# Altium PCB RUMBA_plus.PcbDoc (part 2 of 3)
Units mm, origin at the board's own origin, x right, y up, seen from the top; angles counter-clockwise.
Board outline 135 x 75 mm, 2 copper layers (Top Layer, Bottom Layer), stack 1.581 mm thick; 207 components, 187 nets, 895 pads, 260 vias.
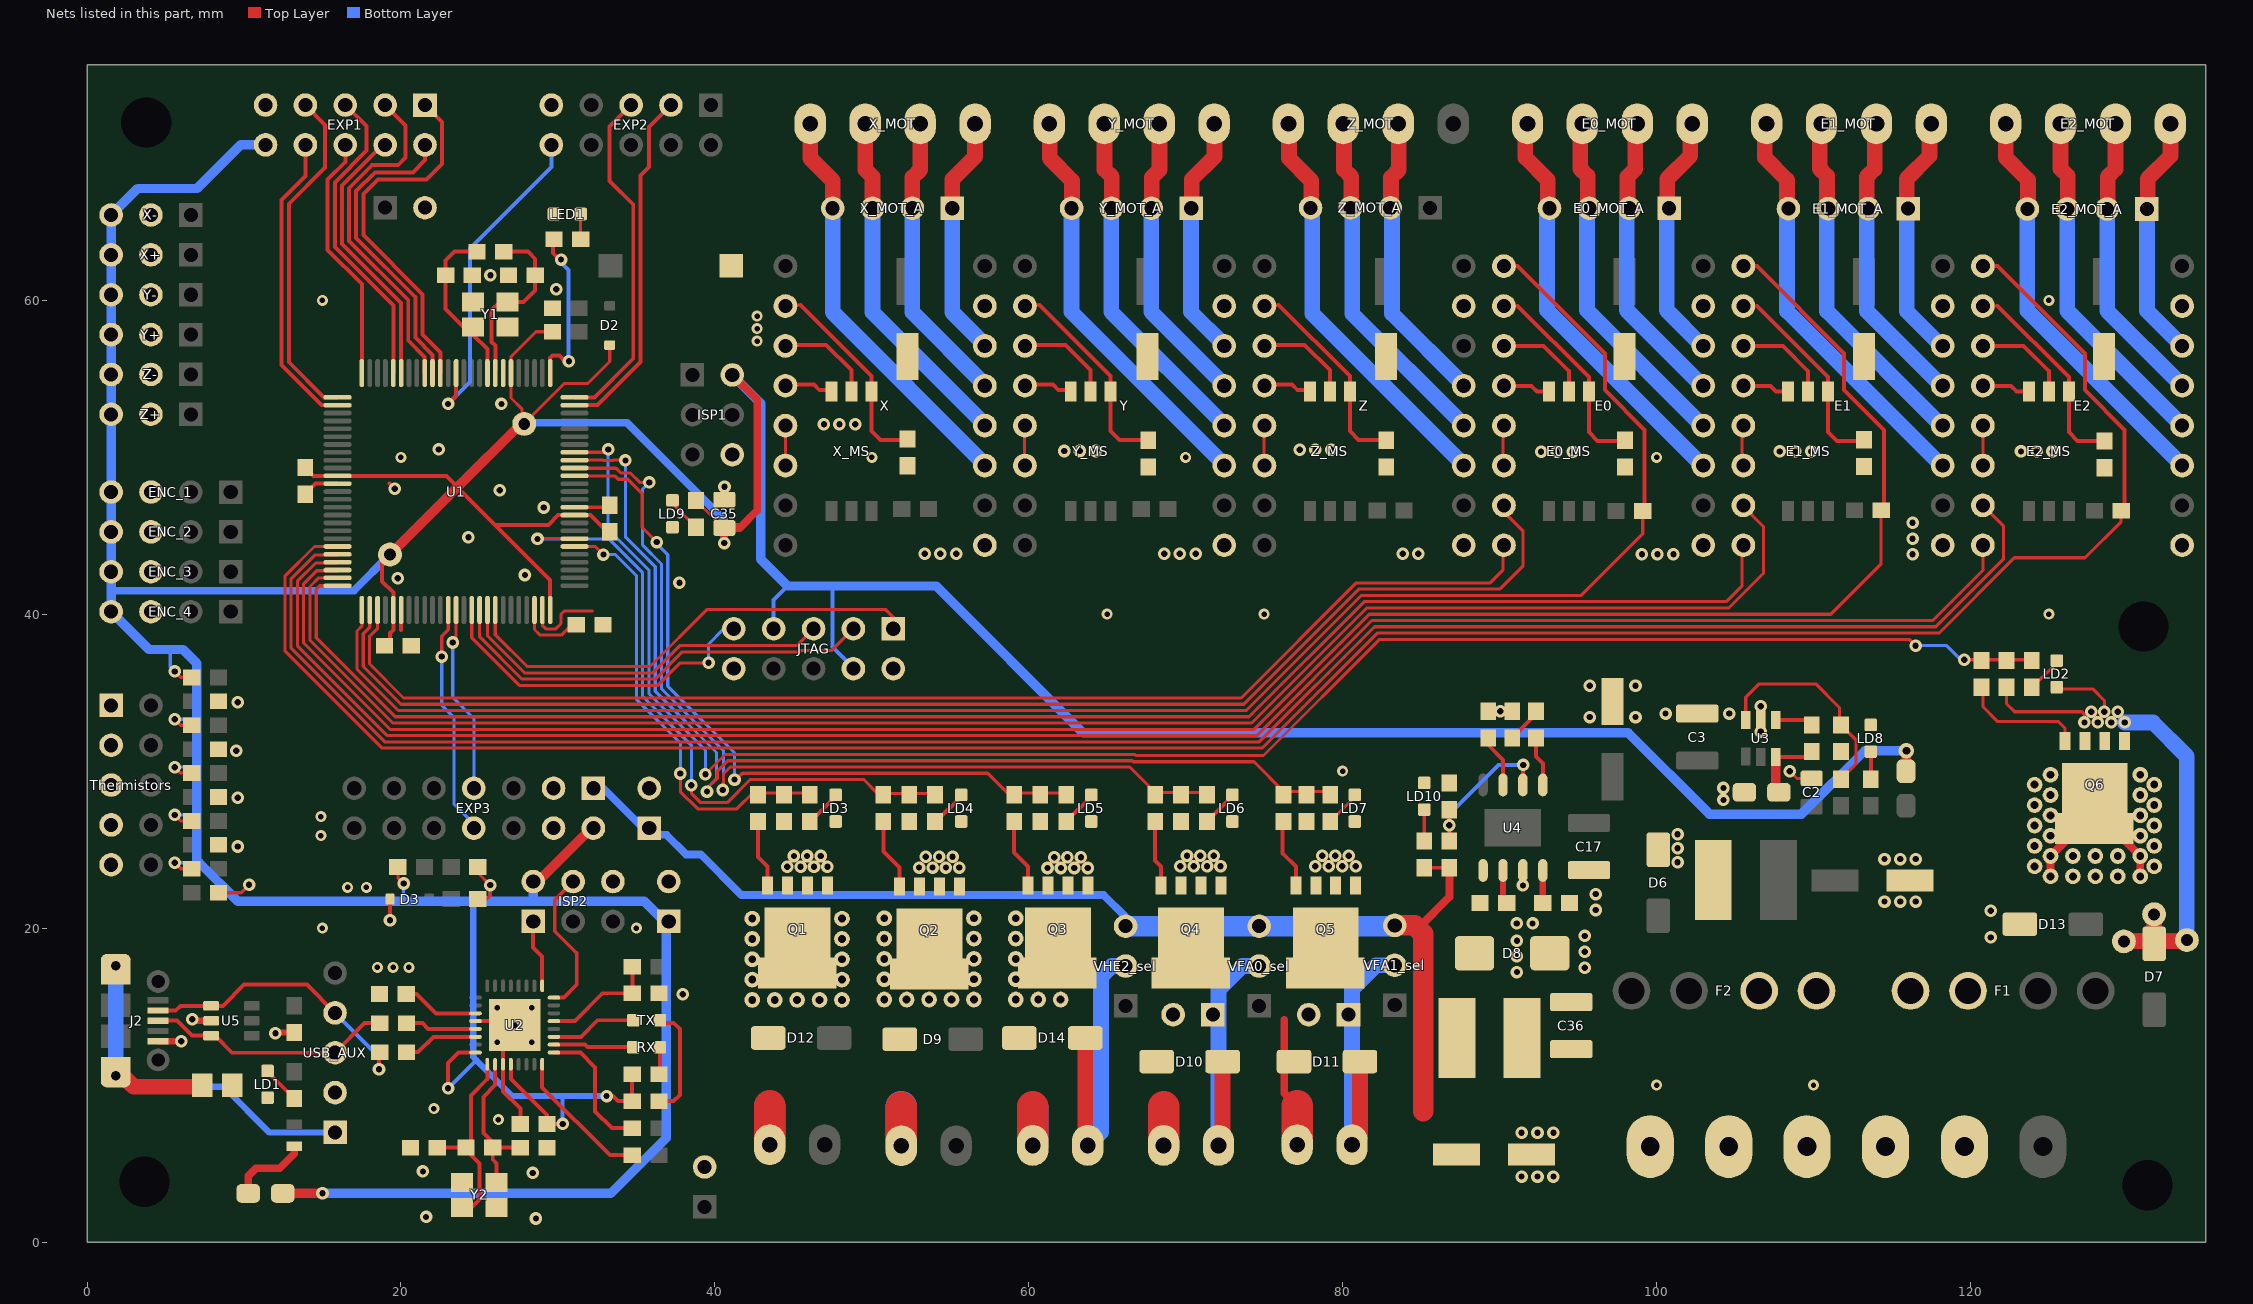
[diagram p2: the nets of this part, all layers, seen from the top]

## Via types
v1: diameter 0.8, hole 0.4, Top Layer to Bottom Layer, tented both sides, 227 vias
v2: diameter 0.7, hole 0.35, Top Layer to Bottom Layer, tented both sides, 31 vias
v3: diameter 1, hole 0.5, Top Layer to Bottom Layer, tented both sides, 1 vias
v4: diameter 1.4, hole 0.75, Top Layer to Bottom Layer, 1 vias

## Nets (pads, with @x,y where several pads share a name; then routed paths per layer and width w, separated by ;. In a path a pad name is that pad's centre, name@x,y a point inside that pad or via, vN(x,y) a via of type N, cw(c..) or ccw(c..) an arc to the next point about the centre after c; other vN are vias at no path point) (continued)
+5V: 5V.1 C5.2 C6.2 C7.2 C13.2 C35.2 D2.K D3.K D4.K D15.K ENC_1.4 ENC_2.4 ENC_3.4 ENC_4.4 EXP1.10 EXP3.2 ISP1.2 ISP2.2 JTAG.4 JTAG.7 pad.2@27.855,52.128 pad.3 R2.2 R3.2 R11.2 R12.2 R15.1 R16.1 R40.1 R41.1 R42.1 R43.1 R54.1 R58.2 U1.10 U1.31 U1.61 U1.80 U1.100 U2.4 U2.32 X+.3 X-.3 Y+.3 Y-.3 Z+.3 Z-.3 | length 413.2
  Top Layer w0.2: v1(5.589,24.163) 5.97,23.782 R54.1@6.676,23.782 ; v1(5.589,27.211) 5.97,26.83 R40.1@6.676,26.83 ; v1(5.589,30.259) 5.97,29.878 R41.1@6.676,29.878 ; v1(5.589,33.307) 5.97,32.926 R42.1@6.676,32.926 ; v1(5.589,36.355) 5.97,35.974 R43.1@6.676,35.974 R43.1@6.295,36.355 ; R3.2@19.804,23.909 19.804,23.21 v1(20.172,22.842) ; v1@22.998,9.802 v1(23,9.804) ; R12.2@24.9,21.85 25.433,21.85 25.683,22.1 v1(25.683,22.741) 24.908,23.516 R2.2@24.908,23.909 ; pad.2@27.628,52.128 27.7,52.2 27.7,53.09 27.01,53.78 U1.31@27.01,55.367 27.01,56.41 28.6,58 R11.2@29.65,58 ; pad.2@27.855,52.155 30.4,54.7 31.9,54.7 33.3,56.1 D2.K@33.3,57.15 ; R58.2@38.8,47.25 40.3,45.75 C35.2@40.3,45.55
  Top Layer w0.254: C5.2@13.9,49.35 14.433,48.817 U1.61@15.96,48.817 22.9,48.817 22.9,48.8 23.6,48.1 23.9,47.8 26,45.7 ; C7.2@18.95,38 19.3,38.35 19.3,38.8 19.51,39.01 U1.80@19.51,40.267 19.51,41.39 18.8,42.1 18.8,43.3 pad.3@19.3,43.8 ; v1(19.3,20.5) D3.K@19.3,21.85 ; v1@22.998,9.802 22.998,11.398 23.674,12.074 U2.32@24.748,12.074 ; U2.4@26.998,11.324 26.998,10.402 29.306,8.094 C13.2@29.306,7.526 v1(30.3,7.526) ; U1.100@29.51,40.267 29.51,42.19 26,45.7 ; v1(33.1,9.3) 33.51,9.3 33.84,8.971 R15.1@34.734,8.971 R16.1@34.734,10.691 ; C6.2@33.3,45.25 33.15,45.25 32.083,46.317 U1.10@31.06,46.317 30.017,46.317 29.4,45.7 26,45.7
  Top Layer w0.5: C35.2@40.3,45.55 41.631,45.55 ; v1(40.6,44.534) C35.2@40.6,45.5 41.581,45.5 41.631,45.55 ; ISP1.2@41.111,55.246 42.7,53.657 42.7,46.619 41.631,45.55
  Top Layer w0.6: D4.K@12.471,3.1 v1(15,3.1) ; pad.3@19.3,43.8 23.6,48.1 27.628,52.128 pad.2@27.855,52.128 ; ISP2.2@28.426,22.969 28.731,22.969 EXP3.2@32.198,26.436 ; 5V.1@36.758,20.455 5V.1@36.758,20.495 ; D15.K@115.799,29.996 D15.K@115.817,30.014 ; D15.K@115.917,30.014 v3(115.917,31.297)
  Bottom Layer w0.2: 5.3,37.752 5.3,36.644 v1(5.589,36.355) ; v1(5.589,24.163) 7.145,24.163 ; v1(5.589,27.211) 7,27.211 ; v1(5.589,30.259) 7,30.259 ; v1(5.589,33.307) 7,33.307 ; 20.172,21.75 v1(20.172,22.842) ; 25.683,21.775 v1(25.683,22.741) ; JTAG.4@48.826,36.533 JTAG.4@49.334,36.533
  Bottom Layer w0.254: v1(19.3,20.5) 19.3,21.719 ; v1(23,9.804) 23.023,9.804 24.81,11.59 ; v1(30.3,7.526) 30.3,9.3 ; JTAG.7@43.746,39.073 43.746,40.912 44.635,41.8 ; 47.3,41.8 47.506,41.594 47.506,37.9 48.826,36.579 JTAG.4@48.826,36.533
  Bottom Layer w0.4: 24.6,21.719 24.6,11.8 24.81,11.59 27.1,9.3 30.3,9.3 v1(33.1,9.3)
  Bottom Layer w0.5: 1.532,41.5 17,41.5 pad.3@19.3,43.8 ; pad.2@27.926,52.2 34.4,52.2 40.6,46 v1(40.6,44.534)
  Bottom Layer w0.6: EXP1.10@11.371,69.904 9.782,69.904 7.004,67.126 3.22,67.126 X-.3@1.532,65.438 Z+.3@1.532,52.738 ENC_3.4@1.532,42.705 1.532,41.5 ENC_4.4@1.532,40.165 3.945,37.752 5.3,37.752 6.11,37.752 7,36.862 7,33.307 7,30.259 7,27.211 7,24.308 7.145,24.163 9.589,21.719 19.3,21.719 24.6,21.719 28.4,21.719 ; v1(15,3.1) 33.371,3.1 36.9,6.629 36.9,20.267 5V.1@37.062,20.429 ; pad.2@27.855,52.128 pad.2@27.926,52.2 ; ISP2.2@28.426,22.969 28.426,21.746 28.4,21.719 ; 5V.1@36.758,20.455 35.493,21.719 28.4,21.719 ; ISP1.2@41.111,55.246 42.917,53.44 42.917,43.518 44.635,41.8 47.3,41.8 54.1,41.8 63.464,32.436 98.195,32.436 103.364,27.267 109.236,27.267 113.267,31.297 v3@115.817,31.297
+12V: 12V.1 C32.1 C36.2 EXP3.1 L4.2 R56.1 R59.2 VFA0_sel.3 VFA1_sel.3 VHE2_sel.3 | length 75
  Top Layer w0.2: R59.2@85.2,23.85 R56.1@86.8,23.85
  Top Layer w0.4: 84.324,20.45 84.6,20.175
  Top Layer w0.5: 84.797,19.978 86.8,21.981 R56.1@86.8,23.85
  Top Layer w1.3: VFA1_sel.3@83.316,20.175 84.6,20.175 84.797,19.978 85.132,19.642 85.132,8.328
  Bottom Layer w0.5: EXP3.1@32.262,28.913 32.887,28.913 35.85,25.95 36.91,25.95 38.16,24.7 39.1,24.7 41.7,22.1 64.779,22.1 66.171,20.708 VHE2_sel.3@66.171,20.124
  Bottom Layer w1.3: VHE2_sel.3@66.171,20.124 VFA0_sel.3@74.68,20.124 VFA1_sel.3@83.265,20.124
A9: EXP3.7 U1.88 | length 12
  Top Layer w0.2: v1(23.3,38.2) 23.51,38.41 U1.88@23.51,40.267
  Bottom Layer w0.2: v1(23.3,38.2) 23.3,34.7 24.642,33.358 EXP3.7@24.642,28.913
A10: EXP3.8 U1.87 | length 14.9
  Top Layer w0.2: v1(22.6,37.3) 22.6,38.6 23.01,39.01 U1.87@23.01,40.267
  Bottom Layer w0.2: v1(22.6,37.3) 22.6,34.2 23.372,33.428 23.372,27.922 24.642,26.652 EXP3.8@24.642,26.373
AREF: C4.2 U1.98 | length 4.5
  Top Layer w0.2: U1.98@28.56,40.217 U1.98@28.51,40.267 28.51,39.024 28.867,38.667 30.206,38.667 C4.2@31.171,39.632
BEEPER: EXP1.1 U1.40 | length 23.4
  Top Layer w0.254: EXP1.1@21.531,72.444 22.608,71.367 22.608,68.683 21.624,67.7 18.535,67.7 17.6,66.765 17.6,64.158 21.372,60.386 21.372,57.812 22.51,56.674 U1.40@22.51,55.367
BTN_EN1: EXP2.5 U1.25 | length 22.1
  Top Layer w0.254: U1.25@31.06,53.817 32.317,53.817 34.8,56.3 34.8,66.1 33.3,67.6 33.3,71.081 EXP2.5@34.663,72.444
BTN_EN2: EXP2.3 U1.24 | length 22.5
  Top Layer w0.254: U1.24@31.06,53.317 32.517,53.317 35.262,56.062 35.262,67.962 35.8,68.5 35.8,71.041 EXP2.3@37.203,72.444
BTN_ENC: EXP1.2 U1.41 | length 19.8
  Top Layer w0.254: EXP1.2@21.531,69.904 21.531,68.931 20.754,68.154 18.347,68.154 17.146,66.953 17.146,63.97 20.918,60.198 20.918,57.624 22.01,56.532 U1.41@22.01,55.367
DTR: C16.2 R14.1 U2.13 | length 7.4
  Top Layer w0.254: U2.13@29.748,14.074 31.074,14.074 32.851,15.851 R14.1@34.739,15.851 ; R14.1@34.739,15.857 C16.2@34.739,17.546
E0-DIR: E0.8 U1.78 | length 81.7
  Top Layer w0.2: U1.78@18.51,40.267 18.51,39.11 18,38.6 18,36.831 20.164,34.667 73.533,34.667 80.866,42 89.4,42 90.211,42.811 E0.8@90.211,44.396
E0-EN: E0.1 R27.2 U1.76 | length 113
  Top Layer w0.2: U1.76@17.51,40.267 17.51,39.241 17.2,38.931 17.2,36.5 19.833,33.867 73.867,33.867 81.2,41.2 95.2,41.2 99.122,45.122 R27.2@99.122,46.581
  Top Layer w0.254: E0.1@90.211,62.176 E0.1@90.274,62.176 91.153,62.176 96.705,56.624 96.705,54.287 99.245,51.747 99.245,46.809 R27.2@99.022,46.585
E0-STEP: E0.7 U1.77 | length 86.7
  Top Layer w0.2: U1.77@18.01,40.267 18.01,39.176 17.6,38.766 17.6,36.666 19.999,34.267 73.698,34.267 81.031,41.6 90,41.6 91.5,43.1 91.5,45.294 E0.7@90.211,46.583
  Top Layer w0.254: E0.7@90.211,46.583 E0.7@90.211,46.936
E1-DIR: E1.8 U1.75 | length 103.5
  Top Layer w0.2: U1.75@15.96,41.817 14.817,41.817 14.6,41.6 14.6,38.5 19.633,33.467 74.033,33.467 81.366,40.8 104.434,40.8 105.451,41.816 E1.8@105.451,44.396
E1-EN: E1.1 R29.2 U1.73 | length 136.9
  Top Layer w0.2: U1.73@15.96,42.817 15.96,42.767 14.636,42.767 13.8,41.931 13.8,38.169 19.302,32.667 74.364,32.667 81.697,40 111.1,40 114.312,43.212 R29.2@114.312,46.631
  Top Layer w0.254: E1.1@105.451,62.176 E1.1@105.532,62.176 106.393,62.176 111.945,56.624 111.945,54.287 114.485,51.747 114.485,46.809 R29.2@114.262,46.585
E1-STEP: E1.7 U1.74 | length 109.1
  Top Layer w0.2: U1.74@15.96,42.317 14.751,42.317 14.2,41.766 14.2,38.334 19.467,33.067 74.198,33.067 81.531,40.4 104.6,40.4 106.815,42.615 106.815,45.572 E1.7@105.451,46.936
E2-DIR: E2.8 U1.72 | length 122.9
  Top Layer w0.2: U1.72@15.96,43.317 15.91,43.267 14.57,43.267 13.4,42.097 13.4,38.003 19.136,32.267 74.53,32.267 81.863,39.6 117.6,39.6 120.791,42.791 E2.8@120.791,44.396
E2-EN: E2.1 R45.2 U1.70 | length 155.1
  Top Layer w0.2: U1.70@15.96,44.317 14.489,44.317 12.6,42.428 12.6,37.672 18.805,31.467 74.861,31.467 82.194,38.8 118,38.8 122.8,43.6 127.298,43.6 129.602,45.904 R45.2@129.602,46.585
  Top Layer w0.254: E2.1@120.791,62.176 121.733,62.176 127.285,56.624 127.285,54.287 129.825,51.747 129.825,46.809 R45.2@129.602,46.585
E2-STEP: E2.7 U1.71 | length 128.4
  Top Layer w0.2: U1.71@15.96,43.817 15.91,43.767 14.504,43.767 13,42.263 13,37.837 18.97,31.867 74.695,31.867 82.028,39.2 117.8,39.2 122.1,43.5 122.1,45.627 E2.7@120.791,46.936
FAN_0: R46.1 R47.1 R55.2 U1.17 | length 68.9
  Top Layer w0.2: U1.17@31.06,49.817 32.893,49.817 32.91,49.8 33.49,49.8 33.507,49.817 34.283,49.817 v1(34.3,49.8) ; v1@39.5,28.6 v1(39.5,28.7) 39.5,28.9 40.151,29.551 40.151,30.007 40.811,30.667 66.594,30.667 66.661,30.6 74.351,30.6 76.255,28.696 R55.2@79.201,28.696
  Bottom Layer w0.2: v1(34.3,49.8) 34.3,44.934 36.2,43.034 36.2,35.09 40.1,31.19 40.1,29.51 39.5,28.91 v1(39.5,28.7) v1@39.5,28.6
FAN_1: R51.1 R52.1 R53.2 U1.16 | length 60
  Top Layer w0.2: U1.16@31.06,49.317 31.077,49.3 33.71,49.3 34.01,49 34.617,49 35.217,48.4 v1(35.818,48.4) ; v1@40.5,28.7 40.551,28.751 40.551,29.841 40.977,30.267 66.429,30.267 68.05,28.645 R53.2@71.352,28.645
  Bottom Layer w0.2: v1(35.818,48.4) 35.4,47.982 35.4,44.4 36.6,43.2 36.6,35.255 40.551,31.304 40.551,28.751 v1@40.5,28.7
  other v1: 40.5,28.8
FB1: R5.1 R6.2 U3.3 | length 13.7
  Top Layer w0.2: U3.3@105.686,33.272 105.686,34.71 106.536,35.56 110.15,35.56 111.648,34.061 R6.2@111.648,32.948 ; R5.1@111.748,29.493 112.7,30.444 112.7,31.996 R6.2@111.748,32.948
FB2: R56.2 R57.2 U4.6 | length 10
  Top Layer w0.254: R56.2@86.8,25.55 v1(86.8,26.55) R57.2@86.8,27.55 ; U4.6@91.499,29.141 v1(91.499,30.396)
  Bottom Layer w0.254: v1(86.8,26.55) 86.8,27.278 89.918,30.396 v1(91.499,30.396)
GND: 5V.2 12V.2 C1.2 C2.1 C3.1 C4.1 C5.1 C6.1 C7.1 C8.1 C9.2 C10.2 C11.1 C12.2 C13.1 C14.1 C15.1 C17.1 C19.1 C20.1 C21.2 C22.2 C23.2 C24.2 C25.2 C26.2 C27.2 C28.2 C29.2 C30.2 C31.2 C32.2 C34.1 C35.1 C36.1 D5.A D6.A D7.A D8.A E0.9 E0.15 E1.9 E1.15 E2.9 E2.15 ENC_1.3 ENC_2.3 ENC_3.3 ENC_4.3 EXP1.9 EXP2.9 EXP3.3 EXP3.4 HB-PWR.1 ISP1.6 ISP2.6 J2.GND JTAG.2 JTAG.10 L1.2 LD1.2 LD2.2 LD3.2 LD4.2 LD5.2 LD6.2 LD7.2 LD8.2 LD9.2 LD10.2 LED1.2 MAIN-PWR.1 pad.5 pad.6 pad.8 PS_ON.2 PWR.2 Q1.3 Q2.3 Q3.3 Q4.3 Q5.3 Q6.3 R6.1 R10.1 R14.2 R22.2 R24.2 R26.2 R28.2 R30.2 R32.2 R35.2 R38.2 R44.2 R47.2 R49.2 R52.2 R57.1 Reset.1 Thermistors.1 Thermistors.3 Thermistors.5 Thermistors.7 Thermistors.9 U1.11 U1.32 U1.62 U1.81 U1.99 U2.3 U2.28 U2.33 U3.2 U4.3 U5.2 USB_AUX.2 X+.2 X-.2 X.9 X.15 Y1.2 Y1.4 Y2.2 Y2.4 Y+.2 Y-.2 Y.9 Y.15 Z+.2 Z-.2 Z.9 Z.15 | length 72.8
  Top Layer w0.2: C9.2@8.122,22.258 C9.2@8.376,22.258 9.812,22.258 v1(10.32,22.766) ; C26.2@8.122,25.306 C26.2@8.376,25.306 C26.2@8.482,25.2 ; C27.2@8.122,28.354 C27.2@8.376,28.354 C27.2@8.43,28.3 ; C28.2@8.122,31.402 C28.2@8.376,31.402 C28.2@8.478,31.3 ; C29.2@8.122,34.45 C29.2@8.376,34.45 C29.2@8.426,34.4 ; U1.99@29.01,40.267 29.01,39.29 29.233,39.067 29.867,39.067 30.2,39.4 30.2,40 30.4,40.2 32.202,40.2 ; v1(62.048,23.833) v1(62.903,23.833) ; v1(108.486,29.997) 108.946,29.537 C2.1@109.596,29.537 ; C2.1@109.684,29.493 C2.1@109.684,29.684 ; R32.2@122.156,35.392 122.3,35.248 122.3,34.306 122.817,33.79 127.11,33.79 127.262,33.638 v1(127.262,33.104) ; LD2.2@125.56,35.246 127.787,35.246 128.532,34.501 v1(128.532,33.79)
  Top Layer w0.254: C5.1@13.9,47.65 14.567,48.317 U1.62@15.96,48.317 ; 19.283,48.317 v1(19.6,48) ; v1(19.8,42.3) 19.92,42.3 v1@20.01,42.39 ; 20.01,38.99 U1.81@20.01,40.267 ; C7.1@20.3,38.35 C7.1@20.65,38 ; U2.28@24.748,14.074 26.998,14.074 v2(27.248,13.824) 26.498,13.074 U2.3@26.498,11.324 26.498,9.602 27.606,8.494 C13.1@27.606,7.526 ; v1(26.4,53.4) v1@26.51,53.51 ; v1(27.9,42.5) v1@28.2,42.5 ; v1(29.1,46.8) v1@29.117,46.817 ; U1.11@31.06,46.817 33.167,46.817 C6.1@33.3,46.95
  Top Layer w0.4: J2.GND@4.525,12.8 v1(6,12.8) ; v1(6.7,14.2) 6.7,14.1 U5.2@7.9,14.1 U5.2@8.025,14.1 ; v1(12,13.3) 12.05,13.35 C11.1@13.2,13.35 C11.1@13.3,13.35
  Top Layer w0.6: v1(106.636,32.526) U3.2@106.636,33.272 v1(106.636,34.145)
  Top Layer w1: pad.6@129.776,19.159 D7.A@131.707,19.159 ; D7.A@131.707,18.766 D7.A@131.707,19.159 ; pad.8@131.707,20.283 D7.A@131.707,19.159 ; pad.5@133.713,19.159 D7.A@131.707,19.159
  Bottom Layer w1: pad.6@129.776,19.159 131.707,19.159 ; v1(129.827,33.104) 131.63,33.104 133.789,30.945 pad.5@133.789,19.235 ; pad.8@131.707,20.683 131.707,19.159 ; pad.5@133.713,19.159 131.707,19.159
  other v1: 28.6,1.5 21.6,1.6 91.4,4.17 92.416,4.17 93.432,4.17 28.4,4.4 21.4,4.5 91.4,6.97 92.416,6.97 93.432,6.97 37.951,15.781 91.103,17.2 95.426,17.472 91.103,18.2 95.426,18.488 91.103,19.2 95.426,19.504 91.1,20.3 92.1,20.3 96.121,21.155 114.523,21.69 115.523,21.69 116.523,21.69 96.121,22.171 91.485,22.72 61.192,23.833 63.758,23.833 53.014,23.858 53.869,23.858 54.724,23.858 55.579,23.858 44.606,23.909 45.461,23.909 46.316,23.909 47.172,23.909 69.651,23.934 70.506,23.934 71.361,23.934 72.216,23.934 78.261,23.934 79.116,23.934 79.971,23.934 80.827,23.934 101.341,24.203 114.523,24.401 115.523,24.401 116.523,24.401 61.624,24.519 62.462,24.519 63.326,24.519 53.445,24.544 54.284,24.544 55.147,24.544 45.038,24.595 45.876,24.595 46.74,24.595 70.082,24.62 70.921,24.62 71.784,24.62 78.693,24.62 79.531,24.62 80.395,24.62 101.341,25.092 9.6,25.2 101.341,25.981 104.262,28.167 9.6,28.3 104.262,28.929 9.5,31.3 128.117,33.104 128.972,33.104 95.739,33.45 98.659,33.45 100.574,33.672 104.624,33.672 127.693,33.79 129.387,33.79 90.038,33.816 9.6,34.4 95.739,35.45 98.659,35.45 37.741,42 99.068,43.823 100.058,43.823 101.074,43.823 116.314,43.823 53.373,43.848 54.364,43.848 55.38,43.848 68.638,43.848 69.629,43.848 70.645,43.848 83.828,43.848 84.818,43.848 116.314,44.813 24.3,44.9 116.314,45.829 26.3,47.9 40.614,48.117 92.641,50.35 93.632,50.35 94.648,50.35 107.856,50.376 108.847,50.376 109.863,50.376 123.221,50.376 124.212,50.376 125.228,50.376 62.263,50.401 63.254,50.401 64.27,50.401 22.4,50.5 77.274,50.477 78.265,50.477 79.281,50.477 46.947,52.103 47.937,52.103 48.953,52.103 29.9,60.7 25.7,61.6
  other v2: 26.2,7.8 22.1,8.5 100,10 110,10 26.148,12.724 28.348,12.724 26.148,14.924 28.348,14.924 18.5,17.5 19.5,17.5 20.5,17.5 15,20 35,20 16.6,22.6 17.8,22.6 14.9,25.9 14.9,27.1 80,30 65,40 75,40 125,40 20,50 50,50 70,50 100,50 42.7,57.4 42.7,58.2 42.7,59 15,60 125,60
HB: R31.1 R32.1 R33.2 U1.18 | length 113.8
  Top Layer w0.2: U1.18@31.06,50.317 33.083,50.317 33.2,50.434 v1(33.2,50.5) ; v1(39.4,29.8) 39.4,29.821 40.646,31.067 66.76,31.067 66.827,31 74.96,31 82.36,38.4 116.102,38.4 v1(116.502,38) ; v1(119.6,37.103) 123.734,37.103 123.745,37.092 R33.2@123.756,37.103
  Bottom Layer w0.2: v1(33.2,50.5) 33.2,45.4 35.8,42.8 35.8,34.924 39.4,31.324 v1(39.4,29.8) ; v1(116.502,38) 118.479,38 v1@119.387,37.092
HE_0: R34.1 R35.1 R36.2 U1.6 | length 29
  Top Layer w0.2: U1.6@31.06,44.317 32.383,44.317 v1(32.9,43.8) ; v1(37.8,29.854) 37.8,28.7 38.9,27.6 41.4,27.6 42.4,28.6 44.402,28.6 45.946,28.6 R36.2@45.709,28.837
  Bottom Layer w0.2: v1(32.9,43.8) 33.669,43.8 35,42.469 35,34.593 37.8,31.793 v1(37.8,29.854)
HE_1: R37.1 R38.1 R39.2 U1.7 | length 42
  Top Layer w0.2: v1(28.7,44.8) 28.717,44.817 U1.7@31.06,44.817 ; v1(38.5,29.1) 38.5,28.6 39.1,28 40.21,28 40.784,28 42.251,29.467 49.488,29.467 50.386,28.569 50.727,28.569 R39.2@54.029,28.569
  Bottom Layer w0.2: v1(28.7,44.8) 33.234,44.8 35.4,42.634 35.4,34.758 38.5,31.658 v1(38.5,29.1)
HE_2: R48.1 R49.1 R50.2 U1.15 | length 46.9
  Top Layer w0.2: U1.15@31.06,48.817 31.077,48.8 33.644,48.8 33.844,48.6 34.451,48.6 35.37,47.681 35.37,45.53 v1(36.3,44.6) ; v1@41.251,29.363 41.755,29.867 57.38,29.867 R48.1@58.627,28.62 ; R48.1@59.084,28.62 R50.2@62.386,28.62
  Bottom Layer w0.2: v1(36.3,44.6) 36.3,44.497 37,43.797 37,35.421 41.251,31.17 v1(41.251,29.463) v1@41.251,29.363
J_TCK: JTAG.1 U1.93 | length 30.6
  Top Layer w0.2: U1.93@26.01,40.267 26.01,38.696 28.039,36.667 35.867,36.667 39.492,40.292 50.884,40.292 51.874,39.301 JTAG.1@51.874,38.844
J_TDI: JTAG.9 U1.90 | length 22.3
  Top Layer w0.2: U1.90@24.51,40.267 24.51,38.499 27.542,35.467 36.364,35.467 37.797,36.9 v1(39.6,36.9)
  Bottom Layer w0.2: v1(39.6,36.9) 39.6,38.1 40.573,39.073 JTAG.9@41.206,39.073 ; JTAG.9@41.435,39.124 JTAG.9@41.714,38.844
J_TDO: JTAG.3 U1.91 | length 28
  Top Layer w0.2: U1.91@25.01,40.267 25.01,38.565 27.707,35.867 36.198,35.867 37.931,37.6 45.379,37.6 45.479,37.7 47.454,37.7 JTAG.3@48.826,39.073
J_TMS: JTAG.5 U1.92 | length 24.6
  Top Layer w0.2: U1.92@25.51,40.267 25.51,38.63 27.873,36.267 36.033,36.267 37.766,38 45.214,38 JTAG.5@46.286,39.073
KILL: EXP2.10 U1.38 | length 21.4
  Top Layer w0.254: v1(23,53.4) 23.51,53.91 U1.38@23.51,55.367
  Bottom Layer w0.254: v1(23,53.4) 24.4,54.8 24.4,63.3 29.583,68.483 EXP2.10@29.583,69.904
LCD_D4: EXP1.5 U1.46 | length 20
  Top Layer w0.254: EXP1.5@16.451,72.444 17.8,71.095 17.8,69.533 15.784,67.517 15.784,63.406 19.51,59.68 U1.46@19.51,55.367
LCD_D5: EXP1.6 U1.50 | length 15.9
  Top Layer w0.254: EXP1.6@16.451,69.904 16.451,68.826 15.33,67.706 15.33,63.218 17.51,61.038 U1.50@17.51,55.367
LCD_D6: EXP1.7 U1.51 | length 21.9
  Top Layer w0.254: EXP1.7@13.911,72.444 15.171,71.183 15.171,68.471 12.854,66.154 12.854,56.056 15.093,53.817 U1.51@15.96,53.817
LCD_D7: EXP1.8 U1.52 | length 19.3
  Top Layer w0.254: EXP1.8@13.911,69.904 13.911,67.911 12.4,66.4 12.4,55.868 14.951,53.317 U1.52@15.96,53.317
LCD_ENA: EXP1.3 U1.42 | length 22.1
  Top Layer w0.254: EXP1.3@18.991,72.444 20.3,71.135 20.3,69.1 19.808,68.608 18.159,68.608 16.692,67.141 16.692,63.782 20.464,60.01 20.464,57.436 21.51,56.39 U1.42@21.51,55.367
LCD_RS: EXP1.4 U1.45 | length 17.3
  Top Layer w0.254: EXP1.4@18.991,69.904 18.813,69.904 16.238,67.329 16.238,63.594 20.01,59.822 U1.45@20.01,55.367
LED: R13.2 U1.26 | length 10.7
  Top Layer w0.254: U1.26@29.51,55.367 29.51,56.317 29.666,56.473 30.1,56.473 30.456,56.117 v1(30.7,56.117) ; R13.2@29.55,63.9 29.7,63.75 29.7,63 30.1,62.6 v1(30.2,62.6)
  Bottom Layer w0.254: v1(30.2,62.6) 30.2,62.4 30.673,61.927 30.673,56.144 v1(30.7,56.117)
MISO2: ISP2.1 U2.17 | length 5.2
  Top Layer w0.254: ISP2.1@28.75,20.208 28.971,20.429 ISP2.1@28.426,20.429 28.426,18.774 28.998,18.202 U2.17@28.998,16.324
MOSI2: ISP2.4 U2.16 | length 9.4
  Top Layer w0.254: U2.16@29.748,15.574 30.374,15.574 31.2,16.4 31.2,18.4 29.798,19.802 29.798,21.801 ISP2.4@30.966,22.969
NetC10_1: C10.1 R19.1 | length 2.3
  Top Layer w0.254: C10.1@90.8,32.116 92.324,33.64 R19.1@92.324,33.816
NetC12_1: C12.1 U2.27 | length 4.9
  Top Layer w0.254: C12.1@20.338,15.808 20.992,15.808 22.226,14.574 U2.27@24.748,14.574
NetC14_2: C14.2 R9.1 U2.1 Y2.1 | length 12.6
  Top Layer w0.254: C14.2@22.306,6.016 R9.1@24.147,6.016 ; Y2.1@23.9,2.2 24.5,2.2 25,2.7 25,5 24.147,5.853 R9.1@24.147,6.016 ; R9.1@24.147,6.027 R9.1@24.147,6.016 ; R9.1@24.316,6.016 24.448,6.148 24.448,9.348 25.498,10.398 U2.1@25.498,11.324
NetC15_2: C15.2 R9.2 U2.2 Y2.3 | length 10.1
  Top Layer w0.254: U2.2@25.998,11.324 25.998,9.998 25.248,9.248 25.248,6.952 R9.2@26.173,6.027 ; Y2.3@26.1,3.8 26.1,5 25.847,5.253 R9.2@25.847,6.027 R9.2@26.173,6.027 ; C15.2@27.606,6.016 27.594,6.027 R9.2@26.173,6.027
NetC18_1: C18.1 D5.K L3.1 U3.6 | length 5
  Top Layer w0.254: U3.6@107.586,30.897 109.534,30.897 C18.1@109.884,31.247
  Top Layer w0.6: D5.K@107.586,28.354 U3.6@107.586,30.897
NetC18_2: C18.2 U3.1 | length 2.4
  Top Layer w0.254: U3.1@107.586,33.272 109.559,33.272 C18.2@109.884,32.947
NetC19_2: C19.2 R1.2 U1.33 Y1.3 | length 11.4
  Top Layer w0.254: U1.33@26.01,55.567 26.01,57.11 25.773,57.347 25.773,59.373 26.3,59.9 Y1.3@26.8,59.9 27.816,59.9 28.55,60.634 C19.2@28.55,61.6 28.55,62.65 28.1,63.1 R1.2@26.55,63.1
NetC20_2: C20.2 R1.1 U1.34 Y1.1 | length 10.9
  Top Layer w0.254: R1.1@24.85,63.1 23.4,63.1 22.85,62.55 C20.2@22.85,61.6 22.85,59.439 23.989,58.3 Y1.1@24.6,58.3 24.6,57.8 25.51,56.89 U1.34@25.51,55.367
NetC33_1: C33.1 U4.2 | length 1.8
  Top Layer w0.4: C33.1@90.215,21.835 U4.2@90.215,23.675
NetC33_2: C33.2 D8.K L4.1 U4.1 | length 0.6
  Top Layer w0.4: D8.K@88.545,18.855 D8.K@89,18.4
NetC34_2: C34.2 U4.7 | length 3.4
  Top Layer w0.254: C34.2@89.115,32.284 C34.2@89.153,32.322 ; C34.2@89.276,32.116 89.276,31.659 90.215,30.721 U4.7@90.215,29.125
NetD4_A: D4.A F3.2 | length 5.1
  Top Layer w0.5: D4.A@10.271,3.1 10.271,4.21 10.761,4.7 12.279,4.7 13.2,5.621 F3.2@13.2,6.1
NetD9_A: D9.A HE1.2 pad.2@50.791,15.451 pad.2@50.791,16.746 pad.2@50.791,18.042 pad.2@50.791,19.337 pad.2@50.791,20.632 pad.2@52.22,15.451 pad.2@53.649,15.451 pad.2@55.077,15.451 pad.2@56.506,15.451 pad.2@56.506,16.746 pad.2@56.506,18.042 pad.2@56.506,19.337 pad.2@56.506,20.632 Q2.2 | length 5
  Top Layer w2: HE1.2@51.876,6.129 51.876,8.598
  Bottom Layer w2: HE1.2@51.876,6.129 51.876,8.638
NetD10_A: D10.A FAN0.2 FAN0_1.2 Q4.2 | length 2.5
  Top Layer w2: FAN0.2@68.589,6.154 68.589,8.623
NetD10_K: D10.K FAN0.1 FAN0_1.1 VFA0_sel.2 | length 18.4
  Top Layer w1: FAN0.1@72.089,6.154 72.35,6.415 D10.K@72.35,11.5
  Bottom Layer w1: FAN0.1@72.089,6.154 72.089,16.06 73.613,17.584 VFA0_sel.2@74.502,17.584
NetD11_A: D11.A FAN1.2 FAN1_1.2 Q5.2 | length 8.3
  Top Layer w0.5: 76.28,14.155 76.28,9.492 77.098,8.674
  Top Layer w2: FAN1.2@77.098,6.205 77.098,8.674
NetD11_K: D11.K FAN1.1 FAN1_1.1 VFA1_sel.2 | length 18.5
  Top Layer w1: FAN1.1@80.598,6.205 81.1,6.707 D11.K@81.1,11.5
  Bottom Layer w1: FAN1.1@80.598,6.205 80.598,16.111 82.122,17.635 VFA1_sel.2@83.011,17.635
NetD12_A: D12.A HE0.2 pad.2@42.384,15.425 pad.2@42.384,16.721 pad.2@42.384,18.016 pad.2@42.384,19.312 pad.2@42.384,20.607 pad.2@43.812,15.425 pad.2@45.241,15.425 pad.2@46.67,15.425 pad.2@48.099,15.425 pad.2@48.099,16.721 pad.2@48.099,18.016 pad.2@48.099,19.312 pad.2@48.099,20.607 Q1.2 | length 4.9
  Top Layer w2: HE0.2@43.494,6.205 43.494,8.674
  Bottom Layer w2: HE0.2@43.494,6.205 43.494,8.613
NetD13_A: D13.A HB-OUT.1 pad.2@124.087,23.934 pad.2@124.087,25.236 pad.2@124.087,26.538 pad.2@124.087,27.84 pad.2@124.087,29.141 pad.2@125.103,23.299 pad.2@125.103,24.595 pad.2@125.103,25.89 pad.2@125.103,27.186 pad.2@125.103,28.481 pad.2@125.103,29.776 pad.2@126.531,23.299 pad.2@126.531,24.595 pad.2@127.96,23.299 pad.2@127.96,24.595 pad.2@129.389,23.299 pad.2@129.389,24.595 pad.2@130.818,23.299 pad.2@130.818,24.595 pad.2@130.818,25.89 pad.2@130.818,27.186 pad.2@130.818,28.481 pad.2@130.818,29.776 pad.2@131.707,23.934 pad.2@131.707,25.236 pad.2@131.707,26.538 pad.2@131.707,27.84 pad.2@131.707,29.141 Q6.2 | length 9.9
  Top Layer w0.5: pad.2@125.103,23.299 pad.2@125.103,24.595 126.855,26.347 Q6.2@127.897,26.347 129.065,26.347 pad.2@130.818,24.595 pad.2@130.818,23.299
  Bottom Layer w0.5: pad.2@130.665,24.595 pad.2@130.818,24.595
  other v1: 121.3,19.408 121.3,21.1
NetD14_A: D14.A HE2.2 pad.2@59.173,15.451 pad.2@59.173,16.746 pad.2@59.173,18.042 pad.2@59.173,19.337 pad.2@59.173,20.632 pad.2@60.602,15.451 pad.2@62.031,15.451 Q3.2 | length 4.9
  Top Layer w2: HE2.2@60.258,6.154 60.258,8.623
  Bottom Layer w2: HE2.2@60.258,6.154 60.258,8.573
NetD14_K: D14.K HE2.1 VHE2_sel.2 | length 19.9
  Top Layer w1: D14.K@63.6,13 63.6,6.312 HE2.1@63.758,6.154
  Bottom Layer w1: HE2.1@63.758,6.154 64.6,6.997 64.6,16.903 65.282,17.584 VHE2_sel.2@66.171,17.584
NetE0_2: E0.2 E0_MS.4 R28.1 | length 13.4
  Top Layer w0.2: E0.2@90.211,59.636 E0.2@90.274,59.636 91.153,59.636
  Top Layer w0.254: 91.153,59.636 95.688,55.102 95.688,51.596 96.252,51.032 R28.1@97.967,51.032
NetE0_3: E0.3 E0_MS.5 | length 6.2
  Top Layer w0.254: E0.3@90.211,57.096 E0.3@90.274,57.096 92.804,57.096 94.418,55.483 E0_MS.5@94.418,54.204
NetE0_4: E0.4 E0_MS.6 | length 3.1
  Top Layer w0.254: E0.4@90.211,54.556 E0.4@90.274,54.556 92.017,54.556 92.37,54.204 E0_MS.6@93.148,54.204
NetE0_5: E0.5 E0.6 | length 2.5
  Top Layer w0.2: E0.6@90.211,49.476 E0.5@90.211,52.016
NetE0_11: E0.11 E0_MOT.1 E0_MOT_A.4 | length 26.5
  Top Layer w1: E0_MOT.1@91.643,71.295 91.643,69.098 93.068,67.673 E0_MOT_A.4@93.068,65.921
  Bottom Layer w1: E0_MOT_A.4@93.022,65.87 93.022,59.365 E0.11@102.911,49.476
NetE0_12: E0.12 E0_MOT.2 E0_MOT_A.3 | length 22.5
  Top Layer w1: E0_MOT.2@95.143,71.295 95.143,68.392 95.608,67.927 E0_MOT_A.3@95.608,65.921
  Bottom Layer w1: E0_MOT_A.3@95.562,65.87 95.562,59.365 E0.12@102.911,52.016
NetE0_13: E0.13 E0_MOT.3 E0_MOT_A.2 | length 18.9
  Top Layer w1: E0_MOT_A.2@98.148,65.921 98.148,67.876 98.643,68.372 E0_MOT.3@98.643,71.295
  Bottom Layer w1: E0_MOT_A.2@98.102,65.87 98.102,59.365 E0.13@102.911,54.556
NetE0_14: E0.14 E0_MOT.4 E0_MOT_A.1 | length 15.7
  Top Layer w1: E0_MOT_A.1@100.688,65.921 100.688,67.749 102.143,69.205 E0_MOT.4@102.143,71.295
  Bottom Layer w1: E0_MOT_A.1@100.642,65.87 100.642,59.365 E0.14@102.911,57.096
NetE1_2: E1.2 E1_MS.4 R30.1 | length 13.4
  Top Layer w0.2: E1.2@105.451,59.636 E1.2@105.532,59.636 106.393,59.636
  Top Layer w0.254: 106.393,59.636 110.928,55.102 110.928,51.596 111.492,51.032 R30.1@113.207,51.032
NetE1_3: E1.3 E1_MS.5 | length 6.2
  Top Layer w0.254: E1.3@105.451,57.096 E1.3@105.532,57.096 108.044,57.096 109.658,55.483 E1_MS.5@109.658,54.204
NetE1_4: E1.4 E1_MS.6 | length 3.1
  Top Layer w0.254: E1.4@105.451,54.556 E1.4@105.532,54.556 107.257,54.556 107.61,54.204 E1_MS.6@108.388,54.204
NetE1_5: E1.5 E1.6 | length 2.5
  Top Layer w0.2: E1.6@105.451,49.476 E1.5@105.451,52.016
NetE1_11: E1.11 E1_MOT.1 E1_MOT_A.4 | length 26.4
  Top Layer w1: E1_MOT.1@106.893,71.295 106.893,69.098 108.318,67.673 E1_MOT_A.4@108.318,65.921
  Bottom Layer w1: E1_MOT_A.4@108.313,65.844 108.313,59.314 E1.11@118.151,49.476
NetE1_12: E1.12 E1_MOT.2 E1_MOT_A.3 | length 22.4
  Top Layer w1: E1_MOT.2@110.393,71.295 110.393,68.392 110.858,67.927 E1_MOT_A.3@110.858,65.921
  Bottom Layer w1: E1_MOT_A.3@110.853,65.844 110.853,59.314 E1.12@118.151,52.016
NetE1_13: E1.13 E1_MOT.3 E1_MOT_A.2 | length 18.8
  Top Layer w1: E1_MOT_A.2@113.398,65.921 113.398,67.876 113.893,68.372 E1_MOT.3@113.893,71.295
  Bottom Layer w1: E1_MOT_A.2@113.393,65.844 113.393,59.314 E1.13@118.151,54.556
NetE1_14: E1.14 E1_MOT.4 E1_MOT_A.1 | length 15.6
  Top Layer w1: E1_MOT_A.1@115.938,65.921 115.938,67.749 117.393,69.205 E1_MOT.4@117.393,71.295
  Bottom Layer w1: E1_MOT_A.1@115.933,65.844 115.933,59.314 E1.14@118.151,57.096
NetE2_2: E2.2 E2_MS.4 R44.1 | length 13.4
  Top Layer w0.2: E2.2@120.791,59.636 121.733,59.636
  Top Layer w0.254: 121.733,59.636 126.268,55.102 126.268,51.596 126.832,51.032 R44.1@128.547,51.032
NetE2_3: E2.3 E2_MS.5 | length 6.2
  Top Layer w0.254: E2.3@120.791,57.096 123.384,57.096 124.998,55.483 E2_MS.5@124.998,54.204
NetE2_4: E2.4 E2_MS.6 | length 3.1
  Top Layer w0.254: E2.4@120.791,54.556 122.597,54.556 122.95,54.204 E2_MS.6@123.728,54.204
NetE2_5: E2.5 E2.6 | length 2.5
  Top Layer w0.2: E2.6@120.791,49.476 E2.5@120.791,52.016
NetE2_11: E2.11 E2_MOT.1 E2_MOT_A.4 | length 26.4
  Top Layer w1: E2_MOT.1@122.243,71.295 E2_MOT.1@122.243,71.244 122.243,69.098 123.668,67.673 E2_MOT_A.4@123.668,65.921
  Bottom Layer w1: E2_MOT_A.4@123.628,65.819 123.628,59.339 E2.11@133.491,49.476
NetE2_12: E2.12 E2_MOT.2 E2_MOT_A.3 | length 22.4
  Top Layer w1: E2_MOT.2@125.743,71.295 125.743,68.392 126.208,67.927 E2_MOT_A.3@126.208,65.921
  Bottom Layer w1: E2_MOT_A.3@126.168,65.819 126.168,59.339 E2.12@133.491,52.016
NetE2_13: E2.13 E2_MOT.3 E2_MOT_A.2 | length 18.8
  Top Layer w1: E2_MOT_A.2@128.748,65.921 128.748,67.876 129.243,68.372 E2_MOT.3@129.243,71.295
  Bottom Layer w1: E2_MOT_A.2@128.708,65.819 128.708,59.339 E2.13@133.491,54.556
NetE2_14: E2.14 E2_MOT.4 E2_MOT_A.1 | length 15.6
  Top Layer w1: E2_MOT_A.1@131.288,65.921 131.288,67.749 132.743,69.205 E2_MOT.4@132.743,71.244 E2_MOT.4@132.743,71.295
  Bottom Layer w1: E2_MOT_A.1@131.248,65.819 131.248,59.339 E2.14@133.491,57.096
NetF1_0: F1.0 HB-PWR.2
NetF2_0: F2.0 MAIN-PWR.2
NetJ2_D+: J2.D+ R8.2 U5.3 USB_AUX.3 | length 15.7
  Top Layer w0.254: J2.D+@4.525,14.1 5.728,14.1 6.678,13.15 8.15,13.15 9.24,12.06 USB_AUX.3@15.8,12.06 17.681,13.941 R8.2@18.648,13.941
NetJ2_D-: J2.D- R7.2 U5.1 USB_AUX.4 | length 18.6
  Top Layer w0.254: J2.D-@4.525,14.75 5.65,14.75 5.95,15.05 8.65,15.05 10,16.4 14,16.4 USB_AUX.4@15.8,14.6 ; v1(18.6,11) 18.6,12.047 R7.2@18.648,12.095
  Bottom Layer w0.254: USB_AUX.4@15.8,14.6 18.6,11.8 v1(18.6,11)
NetJ2_SHIELD: J2.SHIELD L1.1 USB_AUX.1 | length 29.7
  Top Layer w0.2: J2.SHIELD@1.825,17.15 J2.SHIELD@2.696,18.021
  Top Layer w1: J2.SHIELD@1.825,11.05 2.975,9.9 L1.1@7.35,9.9
  Bottom Layer w0.4: J2.SHIELD@1.825,10.6 2.525,9.9 8.7,9.9 11.62,6.98 USB_AUX.1@15.8,6.98
  Bottom Layer w1: J2.SHIELD@1.825,10.6 J2.SHIELD@1.825,17.6
NetLD1_1: LD1.1 R4.1 | length 2.5
  Top Layer w0.254: LD1.1@11.5,10.9 11.5,10.85 R4.1@13.2,9.15
NetLD2_1: LD2.1 R33.1 | length 2.8
  Top Layer w0.2: R33.1@123.756,35.403 124.003,35.403 125.56,36.96 LD2.1@125.56,37.346
NetLD3_1: LD3.1 R36.1 | length 2.3
  Top Layer w0.254: R36.1@46.096,26.793 LD3.1@47.7,28.397
NetLD4_1: LD4.1 R39.1 | length 2.3
  Top Layer w0.254: R39.1@54.096,26.793 LD4.1@55.7,28.397
NetLD5_1: LD5.1 R50.1 | length 2.5
  Top Layer w0.254: R50.1@62.386,26.793 63.99,28.397 LD5.1@63.99,28.659
NetLD6_1: LD6.1 R53.1 | length 2.5
  Top Layer w0.254: R53.1@71.352,26.793 72.778,28.219 LD6.1@72.778,28.659
NetLD7_1: LD7.1 R55.1 | length 2.5
  Top Layer w0.2: R55.1@79.201,26.793 LD7.1@80.979,28.571
NetLD8_1: LD8.1 R20.1 | length 1.8
  Top Layer w0.254: R20.1@113.648,29.493 LD8.1@113.648,31.248
NetLD9_1: LD9.1 R58.1 | length 2.3
  Top Layer w0.2: LD9.1@37.3,47.25 37.3,47.05 R58.1@38.8,45.55
NetLD10_1: LD10.1 R59.1 | length 2
  Top Layer w0.2: R59.1@85.2,25.55 LD10.1@85.2,27.55
NetLED1_1: LED1.1 R13.1 | length 1.6
  Top Layer w0.2: R13.1@31.45,63.9 LED1.1@31.45,65.5
NetQ1_1: Q1.1 R34.2 | length 4.3
  Top Layer w0.254: R34.2@42.751,26.793 42.751,24.545 43.364,23.932 Q1.1@43.364,22.727
NetQ2_1: Q2.1 R37.2 | length 4.1
  Top Layer w0.254: R37.2@50.753,26.327 50.753,24.885 51.769,23.869 Q2.1@51.769,22.664
NetQ3_1: Q3.1 R48.2 | length 4.5
  Top Layer w0.254: R48.2@59.336,26.793 59.059,26.516 59.059,24.822 59.949,23.932 Q3.1@59.949,22.727
NetQ4_1: Q4.1 R51.2 | length 4.3
  Top Layer w0.254: R51.2@67.819,26.793 68.05,26.561 68.05,24.313 68.432,23.932 Q4.1@68.432,22.727
NetQ5_1: Q5.1 R46.2 | length 4.5
  Top Layer w0.254: R46.2@76.404,26.793 76.178,26.568 76.178,24.77 77.017,23.932 Q5.1@77.017,22.727
NetQ6_1: Q6.1 R31.2 | length 8
  Top Layer w0.2: R31.2@120.404,35.392 120.8,34.996 120.8,34.1 121.745,33.155 125.611,33.155 126.017,32.748 Q6.1@126.017,31.935
NetR7_1: R7.1 U2.30 | length 4.8
  Top Layer w0.254: R7.1@20.348,12.095 21.095,12.095 22.074,13.074 U2.30@24.748,13.074
NetR8_1: R8.1 U2.29 | length 4.6
  Top Layer w0.254: R8.1@20.348,13.941 21.359,13.941 21.726,13.574 U2.29@24.748,13.574
NetR10_2: R10.2 U4.4 | length 1.7
  Top Layer w0.4: R10.2@92.755,22.005 U4.4@92.755,23.675
NetR15_2: R15.2 TX.1 | length 7.1
  Top Layer w0.254: R15.2@36.434,8.971 37.371,8.971 37.774,9.374 37.774,13.571 37.379,13.966 TX.1@36.589,13.966
NetR16_2: R16.2 RX.1 | length 1.7
  Top Layer w0.254: R16.2@36.434,10.691 36.502,10.759 RX.1@36.502,12.411
NetR17_1: R17.1 U2.8 | length 9
  Top Layer w0.254: U2.8@28.998,11.324 28.998,9.856 33.323,5.531 R17.1@34.734,5.531
NetR18_1: R18.1 U2.9 | length 8.6
  Top Layer w0.254: U2.9@29.748,12.074 31.426,12.074 32.373,11.127 32.373,8.329 33.451,7.251 R18.1@34.734,7.251
NetR19_2: R19.2 U4.5 | length 3.2
  Top Layer w0.254: R19.2@92.324,32.116 92.324,30.926 92.755,30.496 U4.5@92.755,29.125
NetR22_1: R22.1 X.2 X_MS.4 | length 13.4
  Top Layer w0.2: X.2@44.499,59.705 45.442,59.705
  Top Layer w0.254: 45.442,59.705 49.976,55.17 49.976,51.665 50.541,51.101 R22.1@52.255,51.101
NetR24_1: R24.1 Y.2 Y_MS.4 | length 13.4
  Top Layer w0.2: Y.2@59.739,59.705 60.682,59.705
  Top Layer w0.254: 60.682,59.705 65.216,55.17 65.216,51.665 65.781,51.101 R24.1@67.495,51.101
NetR26_1: R26.1 Z.2 Z_MS.4 | length 13.4
  Top Layer w0.2: Z.2@74.979,59.705 75.922,59.705
  Top Layer w0.254: 75.922,59.705 80.456,55.17 80.456,51.665 81.021,51.101 R26.1@82.735,51.101
NetRX_2: RX.2 U2.10 | length 5.1
  Top Layer w0.254: U2.10@29.748,12.574 31.726,12.574 31.889,12.411 RX.2@34.802,12.411
NetTX_2: TX.2 U2.11 | length 5.5
  Top Layer w0.254: U2.11@29.748,13.074 31.474,13.074 32.531,14.131 TX.2@34.802,14.131
NetX_3: X.3 X_MS.5 | length 6.2
  Top Layer w0.254: X.3@44.499,57.165 47.093,57.165 48.706,55.551 X_MS.5@48.706,54.272
NetX_4: X.4 X_MS.6 | length 3.1
  Top Layer w0.254: X.4@44.499,54.625 46.305,54.625 46.658,54.272 X_MS.6@47.436,54.272
NetX_5: X.5 X.6 | length 2.5
  Top Layer w0.2: X.6@44.499,49.545 X.5@44.499,52.085
NetX_11: X.11 X_MOT.1 X_MOT_A.4 | length 26.3
  Top Layer w1: X_MOT.1@46.081,71.244 46.081,69.047 47.506,67.622 X_MOT_A.4@47.506,65.87
  Bottom Layer w1: X_MOT_A.4@47.506,65.87 47.506,59.238 X.11@57.199,49.545
NetX_12: X.12 X_MOT.2 X_MOT_A.3 | length 22.3
  Top Layer w1: X_MOT.2@49.581,71.244 49.581,68.341 50.046,67.876 X_MOT_A.3@50.046,65.87
  Bottom Layer w1: X_MOT_A.3@50.046,65.87 50.046,59.238 X.12@57.199,52.085
NetX_13: X.13 X_MOT.3 X_MOT_A.2 | length 18.7
  Top Layer w1: X_MOT_A.2@52.586,65.87 52.586,67.826 53.081,68.321 X_MOT.3@53.081,71.244
  Bottom Layer w1: X_MOT_A.2@52.586,65.87 52.586,59.238 X.13@57.199,54.625
NetX_14: X.14 X_MOT.4 X_MOT_A.1 | length 15.5
  Top Layer w1: X_MOT_A.1@55.126,65.87 55.126,67.699 56.581,69.154 X_MOT.4@56.581,71.244
  Bottom Layer w1: X_MOT_A.1@55.126,65.87 55.126,59.238 X.14@57.199,57.165
NetY_3: Y.3 Y_MS.5 | length 6.2
  Top Layer w0.254: Y.3@59.739,57.165 62.333,57.165 63.946,55.551 Y_MS.5@63.946,54.272
NetY_4: Y.4 Y_MS.6 | length 3.1
  Top Layer w0.254: Y.4@59.739,54.625 61.545,54.625 61.898,54.272 Y_MS.6@62.676,54.272
NetY_5: Y.5 Y.6 | length 2.5
  Top Layer w0.2: Y.6@59.739,49.545 Y.5@59.739,52.085
NetY_11: Y.11 Y_MOT.1 Y_MOT_A.4 | length 26.3
  Top Layer w1: Y_MOT.1@61.331,71.244 61.331,69.047 62.756,67.622 Y_MOT_A.4@62.756,65.87
  Bottom Layer w1: Y_MOT_A.4@62.72,65.87 62.72,59.264 Y.11@72.439,49.545
NetY_12: Y.12 Y_MOT.2 Y_MOT_A.3 | length 22.3
  Top Layer w1: Y_MOT.2@64.831,71.244 64.831,68.341 65.296,67.876 Y_MOT_A.3@65.296,65.87
  Bottom Layer w1: Y_MOT_A.3@65.26,65.87 65.26,59.264 Y.12@72.439,52.085
NetY_13: Y.13 Y_MOT.3 Y_MOT_A.2 | length 18.7
  Top Layer w1: Y_MOT_A.2@67.836,65.87 67.836,67.826 68.331,68.321 Y_MOT.3@68.331,71.244
  Bottom Layer w1: Y_MOT_A.2@67.8,65.87 67.8,59.264 Y.13@72.439,54.625
NetY_14: Y.14 Y_MOT.4 Y_MOT_A.1 | length 15.6
  Top Layer w1: Y_MOT_A.1@70.376,65.87 70.376,67.699 71.831,69.154 Y_MOT.4@71.831,71.244
  Bottom Layer w1: Y_MOT_A.1@70.34,65.87 70.34,59.264 Y.14@72.439,57.165
NetZ_3: Z.3 Z_MS.5 | length 6.2
  Top Layer w0.254: Z.3@74.979,57.165 77.573,57.165 79.186,55.551 Z_MS.5@79.186,54.272
NetZ_4: Z.4 Z_MS.6 | length 3.1
  Top Layer w0.254: Z.4@74.979,54.625 76.785,54.625 77.138,54.272 Z_MS.6@77.916,54.272
NetZ_5: Z.5 Z.6 | length 2.5
  Top Layer w0.2: Z.6@74.979,49.545 Z.5@74.979,52.085
NetZ_11: Z.11 Z_MOT.1 Z_MOT_A.4 | length 26.3
  Top Layer w1: Z_MOT.1@76.581,71.244 76.581,69.047 78.006,67.622 Z_MOT_A.4@78.006,65.87
  Bottom Layer w1: Z_MOT_A.4@78.062,65.895 78.062,59.162 Z.11@87.679,49.545
NetZ_12: Z.12 Z_MOT.2 Z_MOT_A.3 | length 22.3
  Top Layer w1: Z_MOT.2@80.081,71.244 80.081,68.341 80.546,67.876 Z_MOT_A.3@80.546,65.87
  Bottom Layer w1: Z_MOT_A.3@80.602,65.895 80.602,59.162 Z.12@87.679,52.085
NetZ_13: Z.13 Z_MOT.3 Z_MOT_A.2 | length 18.7
  Top Layer w1: Z_MOT_A.2@83.086,65.87 83.086,67.826 83.581,68.321 Z_MOT.3@83.581,71.244
  Bottom Layer w1: Z_MOT_A.2@83.142,65.895 83.142,59.162 Z.13@87.679,54.625